# Altium PCB 智能马桶综合检测台V1.0.PcbDoc (part 9 of 10) (continued)
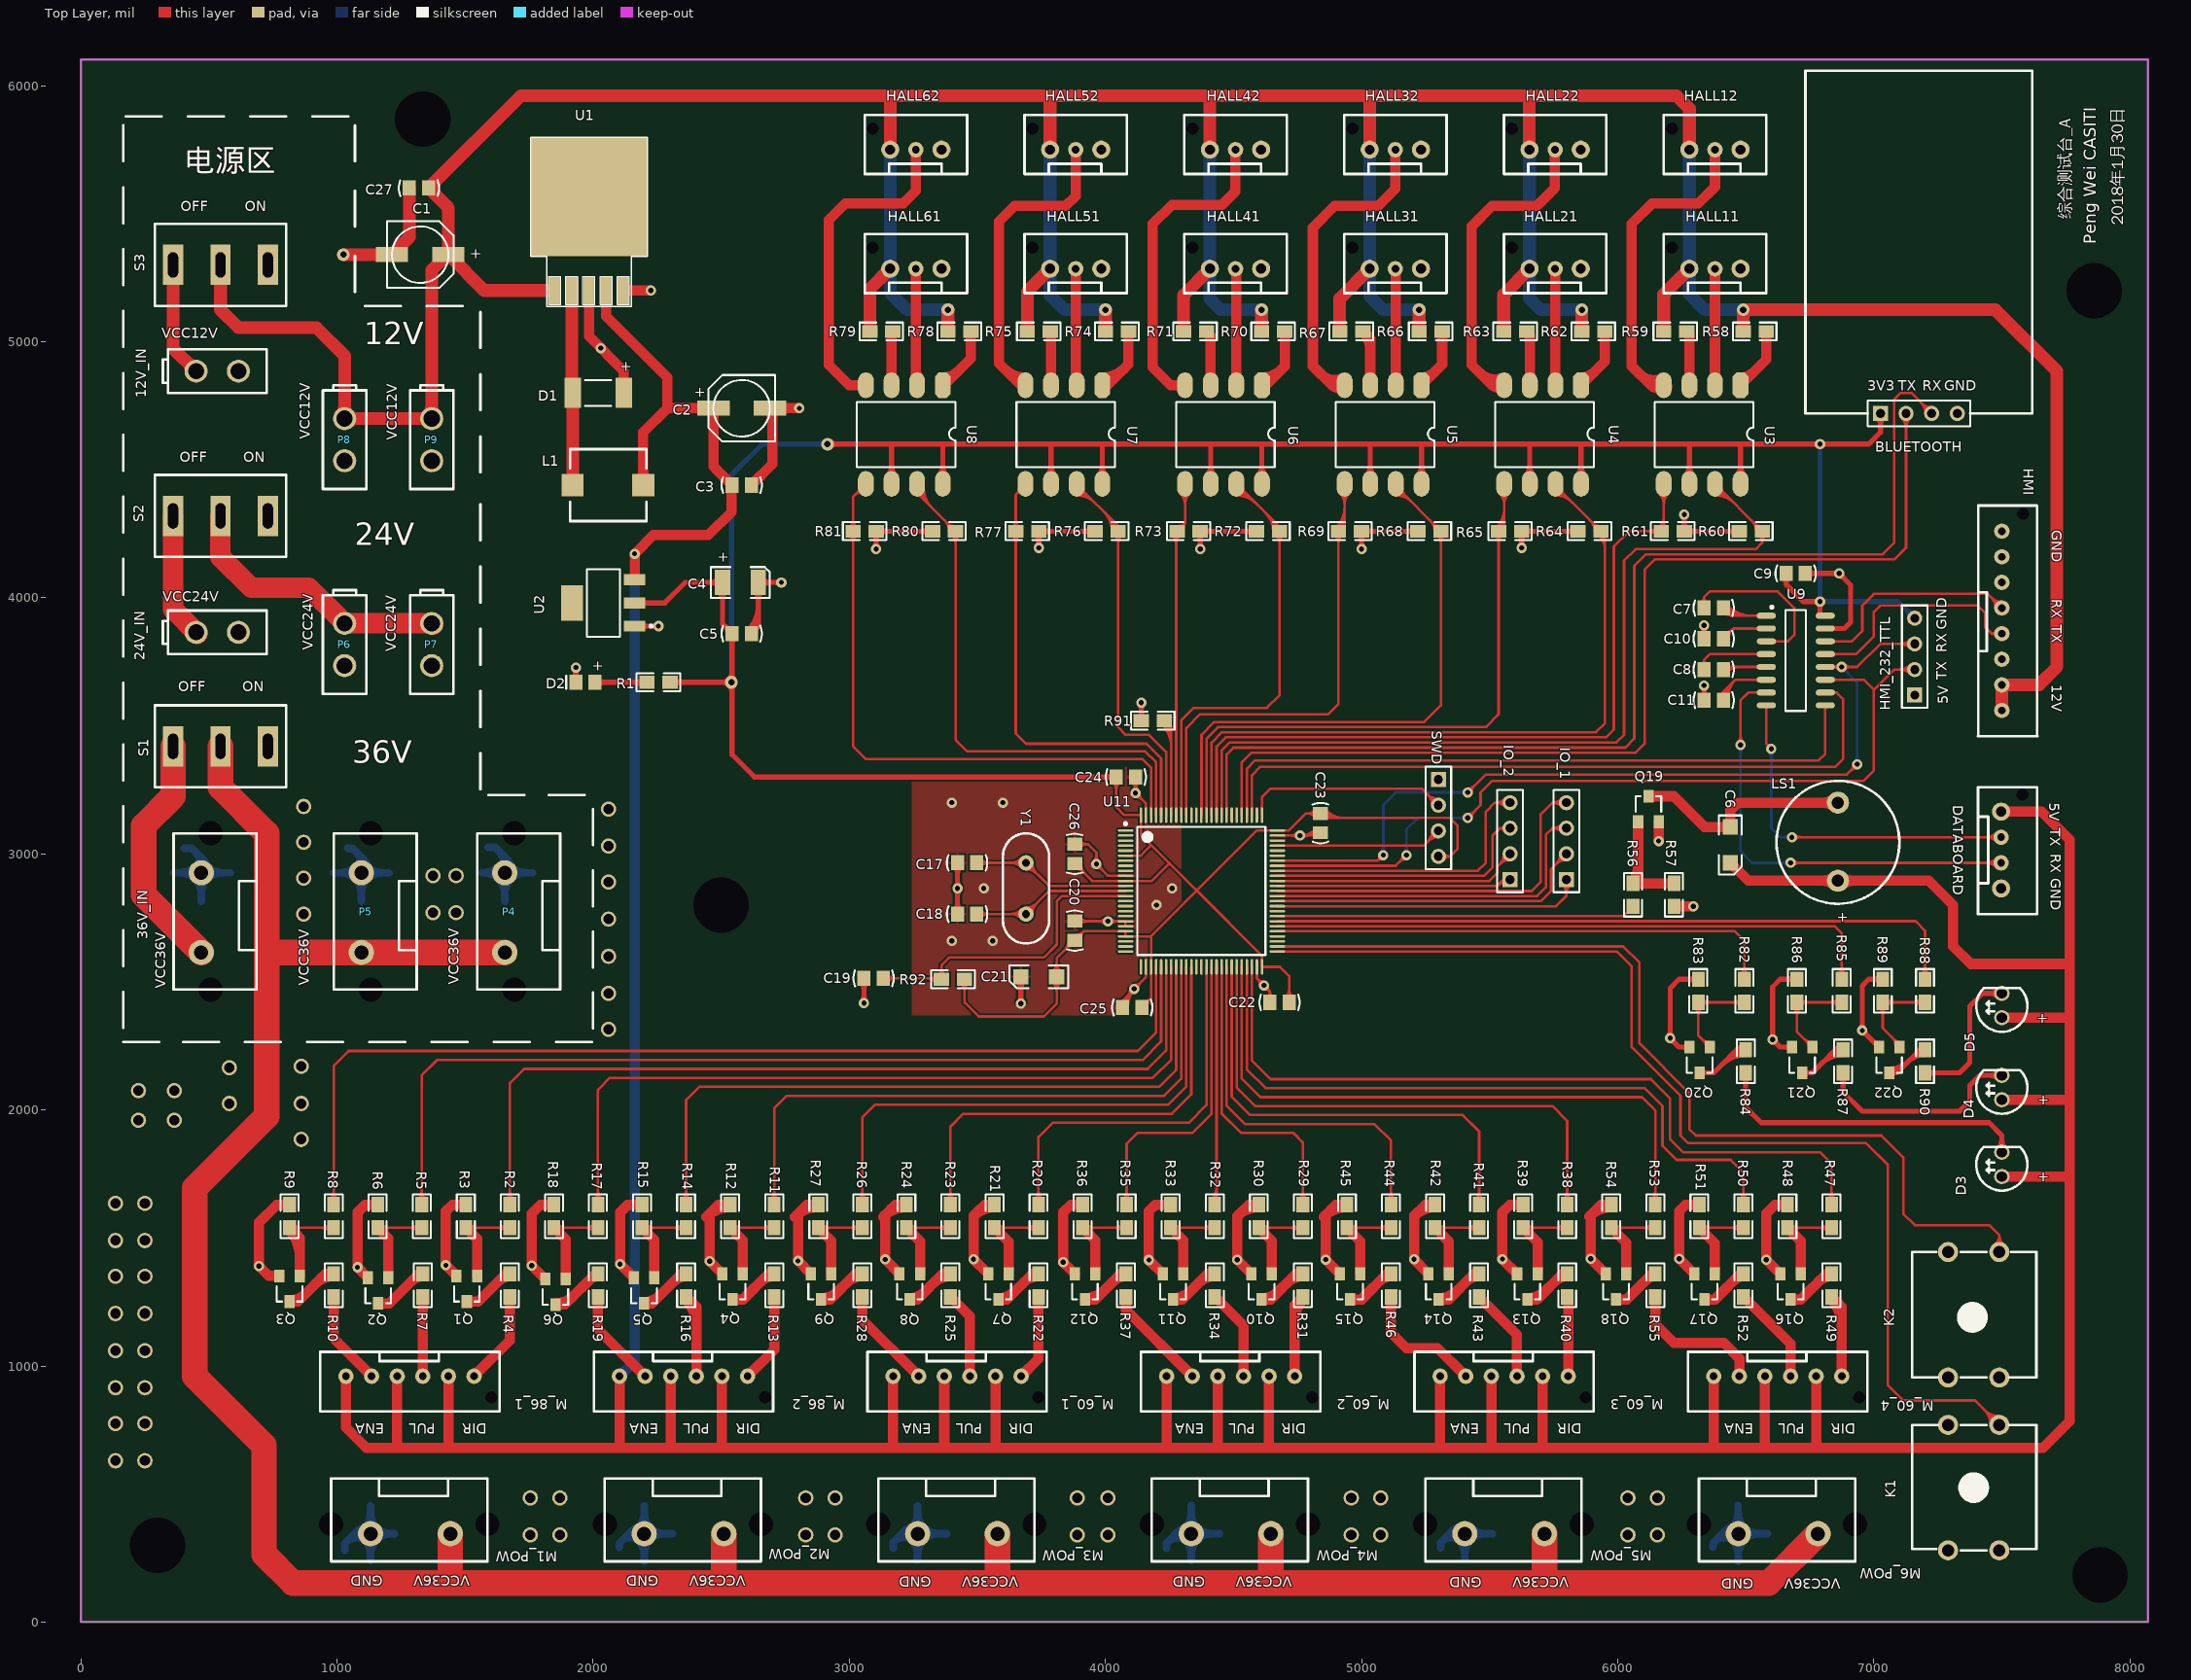
[diagram p0: Top Layer view]
## Nets (pads, with @x,y where several pads share a name; then routed paths per layer and width w, separated by ;. In a path a pad name is that pad's centre, name@x,y a point inside that pad or via, vN(x,y) a via of type N, cw(c..) or ccw(c..) an arc to the next point about the centre after c; other vN are vias at no path point) (continued)
cw(c7073.14,4672.86) BLUETOOTH.1@7039.81,4706.19 ; 7026,4672.86 cw(c7073.14,4672.86) BLUETOOTH.1@7039.81,4706.19 ; 7026,4672.86 cw(c7073.14,4672.86) BLUETOOTH.1@7039.81,4706.19 ; 7026,4672.86 cw(c7073.14,4672.86) BLUETOOTH.1@7039.81,4706.19 ; 7026,4672.86 cw(c7073.14,4672.86) BLUETOOTH.1@7039.81,4706.19 ; U9.16@6783.76,3931.28 ccw(c6768.69,3946.35) 6790,3946.35 cw(c6768.69,3946.35) U9.16@6783.76,3931.28
  Bottom Layer w20: v2(2540,3670) 2540,4480 2660,4600 v2(2915,4600) ; v1(6790,4600) v1(6790,3985) 7095,3985 HMI_232_TTL.4@7160,3920 ; v2@2529.39,3680.61 ccw(c2503.79,3706.21) 2540,3706.21 ; v2@2529.39,3680.61 ccw(c2503.79,3706.21) 2540,3706.21 ; v2@2529.39,3680.61 ccw(c2503.79,3706.21) 2540,3706.21 ; v2@2529.39,3680.61 ccw(c2503.79,3706.21) 2540,3706.21 ; v2@2529.39,3680.61 ccw(c2503.79,3706.21) 2540,3706.21 ; v2@2529.39,3680.61 ccw(c2503.79,3706.21) 2540,3706.21 ; 2540,3706.21 ccw(c2576.21,3706.21) v2@2550.61,3680.61 ; 2540,3706.21 ccw(c2576.21,3706.21) v2@2550.61,3680.61 ; 2540,3706.21 ccw(c2576.21,3706.21) v2@2550.61,3680.61 ; 2540,3706.21 ccw(c2576.21,3706.21) v2@2550.61,3680.61 ; 2540,3706.21 ccw(c2576.21,3706.21) v2@2550.61,3680.61 ; 2540,3706.21 ccw(c2576.21,3706.21) v2@2550.61,3680.61 ; 2878.79,4600 cw(c2878.79,4563.79) v2@2904.39,4589.39 ; 2878.79,4600 ccw(c2878.79,4636.21) v2@2904.39,4610.61 ; 2878.79,4600 cw(c2878.79,4563.79) v2@2904.39,4589.39 ; 2878.79,4600 ccw(c2878.79,4636.21) v2@2904.39,4610.61 ; 2878.79,4600 cw(c2878.79,4563.79) v2@2904.39,4589.39 ; 2878.79,4600 ccw(c2878.79,4636.21) v2@2904.39,4610.61 ; 2878.79,4600 cw(c2878.79,4563.79) v2@2904.39,4589.39 ; 2878.79,4600 ccw(c2878.79,4636.21) v2@2904.39,4610.61 ; 2878.79,4600 cw(c2878.79,4563.79) v2@2904.39,4589.39 ; 2878.79,4600 ccw(c2878.79,4636.21) v2@2904.39,4610.61 ; 2878.79,4600 ccw(c2878.79,4636.21) v2@2904.39,4610.61 ; 2878.79,4600 cw(c2878.79,4563.79) v2@2904.39,4589.39 ; v1@6782.93,3992.07 ccw(c6765.86,4009.14) 6790,4009.14 ; v1@6782.93,3992.07 ccw(c6765.86,4009.14) 6790,4009.14 ; v1@6782.93,3992.07 ccw(c6765.86,4009.14) 6790,4009.14 ; v1@6782.93,3992.07 ccw(c6765.86,4009.14) 6790,4009.14 ; v1@6782.93,3992.07 ccw(c6765.86,4009.14) 6790,4009.14 ; v1@6782.93,3992.07 ccw(c6765.86,4009.14) 6790,4009.14 ; v1@6782.93,4592.93 cw(c6765.86,4575.86) 6790,4575.86 ; v1@6782.93,4592.93 cw(c6765.86,4575.86) 6790,4575.86 ; v1@6782.93,4592.93 cw(c6765.86,4575.86) 6790,4575.86 ; v1@6782.93,4592.93 cw(c6765.86,4575.86) 6790,4575.86 ; v1@6782.93,4592.93 cw(c6765.86,4575.86) 6790,4575.86 ; v1@6782.93,4592.93 cw(c6765.86,4575.86) 6790,4575.86 ; 6790,4009.14 ccw(c6814.14,4009.14) v1@6797.07,3992.07 ; 6790,4009.14 ccw(c6814.14,4009.14) v1@6797.07,3992.07 ; 6790,4009.14 ccw(c6814.14,4009.14) v1@6797.07,3992.07 ; 6790,4009.14 ccw(c6814.14,4009.14) v1@6797.07,3992.07 ; 6790,4009.14 ccw(c6814.14,4009.14) v1@6797.07,3992.07 ; 6790,4009.14 ccw(c6814.14,4009.14) v1@6797.07,3992.07 ; 6790,4575.86 cw(c6814.14,4575.86) v1@6797.07,4592.93 ; 6790,4575.86 cw(c6814.14,4575.86) v1@6797.07,4592.93 ; 6790,4575.86 cw(c6814.14,4575.86) v1@6797.07,4592.93 ; 6790,4575.86 cw(c6814.14,4575.86) v1@6797.07,4592.93 ; 6790,4575.86 cw(c6814.14,4575.86) v1@6797.07,4592.93 ; 6790,4575.86 cw(c6814.14,4575.86) v1@6797.07,4592.93 ; v1@6797.07,3977.93 cw(c6814.14,3960.86) 6814.14,3985 ; v1@6797.07,3977.93 cw(c6814.14,3960.86) 6814.14,3985 ; v1@6797.07,3977.93 cw(c6814.14,3960.86) 6814.14,3985 ; v1@6797.07,3977.93 cw(c6814.14,3960.86) 6814.14,3985 ; v1@6797.07,3977.93 cw(c6814.14,3960.86) 6814.14,3985 ; v1@6797.07,3977.93 cw(c6814.14,3960.86) 6814.14,3985 ; v1@6797.07,3992.07 ccw(c6814.14,4009.14) 6814.14,3985 ; v1@6797.07,3992.07 ccw(c6814.14,4009.14) 6814.14,3985 ; v1@6797.07,3992.07 ccw(c6814.14,4009.14) 6814.14,3985 ; v1@6797.07,3992.07 ccw(c6814.14,4009.14) 6814.14,3985 ; v1@6797.07,3992.07 ccw(c6814.14,4009.14) 6814.14,3985 ; v1@6797.07,3992.07 ccw(c6814.14,4009.14) 6814.14,3985 ; 7126.66,3953.34 cw(c7093.33,3920) HMI_232_TTL.4@7140.47,3920 ; 7126.66,3953.34 ccw(c7160,3986.67) HMI_232_TTL.4@7160,3939.53 ; 7126.66,3953.34 cw(c7093.33,3920) HMI_232_TTL.4@7140.47,3920 ; 7126.66,3953.34 ccw(c7160,3986.67) HMI_232_TTL.4@7160,3939.53 ; 7126.66,3953.34 cw(c7093.33,3920) HMI_232_TTL.4@7140.47,3920 ; 7126.66,3953.34 ccw(c7160,3986.67) HMI_232_TTL.4@7160,3939.53 ; 7126.66,3953.34 cw(c7093.33,3920) HMI_232_TTL.4@7140.47,3920 ; 7126.66,3953.34 ccw(c7160,3986.67) HMI_232_TTL.4@7160,3939.53 ; 7126.66,3953.34 cw(c7093.33,3920) HMI_232_TTL.4@7140.47,3920 ; 7126.66,3953.34 ccw(c7160,3986.67) HMI_232_TTL.4@7160,3939.53 ; 7126.66,3953.34 ccw(c7160,3986.67) HMI_232_TTL.4@7160,3939.53 ; 7126.66,3953.34 cw(c7093.33,3920) HMI_232_TTL.4@7140.47,3920
VCC5V: C2.1 C3.2 C6.2 D3.1 D4.1 D5.1 DATABOARD.1 L1.2 LS1.1 M_60_1.2 M_60_1.4 M_60_1.6 M_60_2.2 M_60_2.4 M_60_2.6 M_60_3.2 M_60_3.4 M_60_3.6 M_60_4.2 M_60_4.4 M_60_4.6 M_86_1.2 M_86_1.4 M_86_1.6 M_86_2.2 M_86_2.4 M_86_2.6 U1.4 U2.3 | length 23907.6
  Top Layer w40: M_86_1.6@1035,960 1035,760 1115,680 7660,680 7765,785 7765,3055 7655,3165 DATABOARD.1@7497,3165 ; 1235,680 M_86_1.4@1235,960 ; M_86_1.2@1435,960 1435,685 1440,680 ; U1.4@2050.79,5200 2050.79,5099.21 2290,4860 2290,4740 ; 2103,682 M_86_2.6@2103,960 ; U2.3@2162.05,4070.55 v1(2162.05,4172.05) 2235,4245 2450,4245 2540,4335 C3.2@2540,4435 ; L1.2@2195.59,4440 2195.59,4645.59 2290,4740 ; 2303,682 M_86_2.4@2303,960 ; 2470,4512.6 C2.1@2470,4740 2290,4740 ; 2480,4502.6 C3.2@2542.6,4440 ; 2495,680 2503,688 M_86_2.2@2503,960 ; M_60_1.6@3171,960 3171,684 3175,680 ; M_60_1.4@3371,960 3371,684 3375,680 ; 3571,681 M_60_1.2@3571,960 ; 4239,681 M_60_2.6@4239,960 ; M_60_2.4@4439,960 4439,686 4445,680 ; 4639,681 M_60_2.2@4639,960 ; 5307,683 M_60_3.6@5307,960 ; 5507,682 M_60_3.4@5507,960 ; M_60_3.2@5707,960 5707,683 5710,680 ; 6375,680 M_60_4.6@6375,960 ; C6.2@6440,2965 6510,2895 7215,2895 7310,2800 7310,2640 7380,2570 7755,2570 ; 6575,680 M_60_4.4@6575,960 ; 6775,680 M_60_4.2@6775,960 ; D3.1@7500,1740 7765,1740 ; D4.1@7500,2040 7750,2040 ; D5.1@7500,2360 7750,2360 ; L1.2@2179.11,4456.48 ccw(c2139.32,4496.27) 2195.59,4496.27 ; L1.2@2179.11,4456.48 ccw(c2139.32,4496.27) 2195.59,4496.27 ; L1.2@2179.11,4456.48 ccw(c2139.32,4496.27) 2195.59,4496.27 ; L1.2@2179.11,4456.48 ccw(c2139.32,4496.27) 2195.59,4496.27 ; L1.2@2179.11,4456.48 ccw(c2139.32,4496.27) 2195.59,4496.27 ; L1.2@2179.11,4456.48 ccw(c2139.32,4496.27) 2195.59,4496.27 ; 2195.59,4496.27 ccw(c2251.86,4496.27) L1.2@2212.07,4456.48 ; 2195.59,4496.27 ccw(c2251.86,4496.27) L1.2@2212.07,4456.48 ; 2195.59,4496.27 ccw(c2251.86,4496.27) L1.2@2212.07,4456.48 ; 2195.59,4496.27 ccw(c2251.86,4496.27) L1.2@2212.07,4456.48 ; 2195.59,4496.27 ccw(c2251.86,4496.27) L1.2@2212.07,4456.48 ; 2195.59,4496.27 ccw(c2251.86,4496.27) L1.2@2212.07,4456.48 ; 6803.73,2895 cw(c6803.73,2838.73) LS1.1@6843.52,2878.52 ; 6803.73,2895 ccw(c6803.73,2951.27) LS1.1@6843.52,2911.48 ; 6803.73,2895 cw(c6803.73,2838.73) LS1.1@6843.52,2878.52 ; 6803.73,2895 ccw(c6803.73,2951.27) LS1.1@6843.52,2911.48 ; 6803.73,2895 cw(c6803.73,2838.73) LS1.1@6843.52,2878.52 ; 6803.73,2895 ccw(c6803.73,2951.27) LS1.1@6843.52,2911.48 ; 6803.73,2895 cw(c6803.73,2838.73) LS1.1@6843.52,2878.52 ; 6803.73,2895 ccw(c6803.73,2951.27) LS1.1@6843.52,2911.48 ; 6803.73,2895 cw(c6803.73,2838.73) LS1.1@6843.52,2878.52 ; 6803.73,2895 ccw(c6803.73,2951.27) LS1.1@6843.52,2911.48 ; 6803.73,2895 ccw(c6803.73,2951.27) LS1.1@6843.52,2911.48 ; 6803.73,2895 cw(c6803.73,2838.73) LS1.1@6843.52,2878.52 ; LS1.1@6876.48,2878.52 cw(c6916.27,2838.73) 6916.27,2895 ; LS1.1@6876.48,2878.52 cw(c6916.27,2838.73) 6916.27,2895 ; LS1.1@6876.48,2878.52 cw(c6916.27,2838.73) 6916.27,2895 ; LS1.1@6876.48,2878.52 cw(c6916.27,2838.73) 6916.27,2895 ; LS1.1@6876.48,2878.52 cw(c6916.27,2838.73) 6916.27,2895 ; LS1.1@6876.48,2878.52 cw(c6916.27,2838.73) 6916.27,2895 ; LS1.1@6876.48,2911.48 ccw(c6916.27,2951.27) 6916.27,2895 ; LS1.1@6876.48,2911.48 ccw(c6916.27,2951.27) 6916.27,2895 ; LS1.1@6876.48,2911.48 ccw(c6916.27,2951.27) 6916.27,2895 ; LS1.1@6876.48,2911.48 ccw(c6916.27,2951.27) 6916.27,2895 ; LS1.1@6876.48,2911.48 ccw(c6916.27,2951.27) 6916.27,2895 ; LS1.1@6876.48,2911.48 ccw(c6916.27,2951.27) 6916.27,2895 ; DATABOARD.1@7507.91,3154.09 cw(c7534.26,3127.74) 7534.26,3165 ; DATABOARD.1@7507.91,3154.09 cw(c7534.26,3127.74) 7534.26,3165 ; DATABOARD.1@7507.91,3154.09 cw(c7534.26,3127.74) 7534.26,3165 ; DATABOARD.1@7507.91,3154.09 cw(c7534.26,3127.74) 7534.26,3165 ; DATABOARD.1@7507.91,3154.09 cw(c7534.26,3127.74) 7534.26,3165 ; DATABOARD.1@7507.91,3154.09 cw(c7534.26,3127.74) 7534.26,3165 ; DATABOARD.1@7507.91,3175.91 ccw(c7534.26,3202.26) 7534.26,3165 ; DATABOARD.1@7507.91,3175.91 ccw(c7534.26,3202.26) 7534.26,3165 ; DATABOARD.1@7507.91,3175.91 ccw(c7534.26,3202.26) 7534.26,3165 ; DATABOARD.1@7507.91,3175.91 ccw(c7534.26,3202.26) 7534.26,3165 ; DATABOARD.1@7507.91,3175.91 ccw(c7534.26,3202.26) 7534.26,3165 ; DATABOARD.1@7507.91,3175.91 ccw(c7534.26,3202.26) 7534.26,3165
  Bottom Layer w40: M_86_2.6@2103,960 2162.05,1019.05 v1(2162.05,4172.05)
VCC12V: C1.1 C27.2 HALL11.1 HALL12.1 HALL21.1 HALL22.1 HALL31.1 HALL32.1 HALL41.1 HALL42.1 HALL51.1 HALL52.1 HALL61.1 HALL62.1 HMI.7 HMI.8 P8.1 P9.1 R58.1 R59.1 R62.1 R63.1 R66.1 R67.1 R70.1 R71.1 R74.1 R75.1 R78.1 R79.1 S3.2 U1.1 | length 20662.2
  Top Layer w50: S3.2@545.04,5300 545.04,5124.96 615,5055 920,5055 1030,4945 P8.1@1030,4700 P9.1@1370,4700 1370,5280 C1.1@1430,5340 ; U1.1@1850,5200 1575,5200 C1.1@1435,5340 1435,5522.4 C27.2@1357.4,5600 1717.4,5960 5030,5960 5032,5958 ; R79.1@3080,5040 3080,5205 HALL61.1@3160,5285 ; 3155,5960 3160,5955 HALL62.1@3160,5750 ; R78.1@3385,5040 v2(3385,5125) ; R75.1@3695,5040 3695,5196 HALL51.1@3784,5285 ; 3780,5960 3784,5956 HALL52.1@3784,5750 ; R74.1@4000,5040 v2(4000,5125) ; R71.1@4305,5040 4305,5182 HALL41.1@4408,5285 ; HALL42.1@4408,5750 4408,5958 4410,5960 ; R70.1@4610,5040 v2(4610,5125) ; R67.1@4915,5040 4915,5168 HALL31.1@5032,5285 ; HALL32.1@5032,5750 5032,5957 5035,5960 6230,5960 6280,5910 HALL12.1@6280,5750 ; R66.1@5225,5040 v2(5225,5125) ; R63.1@5555,5040 5555,5184 HALL21.1@5656,5285 ; HALL22.1@5656,5750 5655,5751 5655,5960 5656,5959 ; R62.1@5860,5040 v2(5860,5125) ; R59.1@6180,5040 6180,5185 HALL11.1@6280,5285 ; R58.1@6490,5040 v2(6490,5125) 7475,5125 7715,4885 7715,3730 7645,3660 HMI.7@7500,3660 HMI.8@7500,3560 ; P8.1@1015.86,4714.14 ccw(c981.72,4748.28) 1030,4748.28 ; P8.1@1015.86,4714.14 ccw(c981.72,4748.28) 1030,4748.28 ; P8.1@1015.86,4714.14 ccw(c981.72,4748.28) 1030,4748.28 ; P8.1@1015.86,4714.14 ccw(c981.72,4748.28) 1030,4748.28 ; P8.1@1015.86,4714.14 ccw(c981.72,4748.28) 1030,4748.28 ; P8.1@1015.86,4714.14 ccw(c981.72,4748.28) 1030,4748.28 ; 1030,4748.28 ccw(c1078.28,4748.28) P8.1@1044.14,4714.14 ; 1030,4748.28 ccw(c1078.28,4748.28) P8.1@1044.14,4714.14 ; 1030,4748.28 ccw(c1078.28,4748.28) P8.1@1044.14,4714.14 ; 1030,4748.28 ccw(c1078.28,4748.28) P8.1@1044.14,4714.14 ; 1030,4748.28 ccw(c1078.28,4748.28) P8.1@1044.14,4714.14 ; 1030,4748.28 ccw(c1078.28,4748.28) P8.1@1044.14,4714.14 ; P8.1@1044.14,4685.86 cw(c1078.28,4651.72) 1078.28,4700 ; P8.1@1044.14,4685.86 cw(c1078.28,4651.72) 1078.28,4700 ; P8.1@1044.14,4685.86 cw(c1078.28,4651.72) 1078.28,4700 ; P8.1@1044.14,4685.86 cw(c1078.28,4651.72) 1078.28,4700 ; P8.1@1044.14,4685.86 cw(c1078.28,4651.72) 1078.28,4700 ; P8.1@1044.14,4685.86 cw(c1078.28,4651.72) 1078.28,4700 ; P8.1@1044.14,4714.14 ccw(c1078.28,4748.28) 1078.28,4700 ; P8.1@1044.14,4714.14 ccw(c1078.28,4748.28) 1078.28,4700 ; P8.1@1044.14,4714.14 ccw(c1078.28,4748.28) 1078.28,4700 ; P8.1@1044.14,4714.14 ccw(c1078.28,4748.28) 1078.28,4700 ; P8.1@1044.14,4714.14 ccw(c1078.28,4748.28) 1078.28,4700 ; P8.1@1044.14,4714.14 ccw(c1078.28,4748.28) 1078.28,4700 ; 1321.72,4700 cw(c1321.72,4651.72) P9.1@1355.86,4685.86 ; 1321.72,4700 ccw(c1321.72,4748.28) P9.1@1355.86,4714.14 ; 1321.72,4700 cw(c1321.72,4651.72) P9.1@1355.86,4685.86 ; 1321.72,4700 ccw(c1321.72,4748.28) P9.1@1355.86,4714.14 ; 1321.72,4700 cw(c1321.72,4651.72) P9.1@1355.86,4685.86 ; 1321.72,4700 ccw(c1321.72,4748.28) P9.1@1355.86,4714.14 ; 1321.72,4700 cw(c1321.72,4651.72) P9.1@1355.86,4685.86 ; 1321.72,4700 ccw(c1321.72,4748.28) P9.1@1355.86,4714.14 ; 1321.72,4700 cw(c1321.72,4651.72) P9.1@1355.86,4685.86 ; 1321.72,4700 ccw(c1321.72,4748.28) P9.1@1355.86,4714.14 ; 1321.72,4700 ccw(c1321.72,4748.28) P9.1@1355.86,4714.14 ; 1321.72,4700 cw(c1321.72,4651.72) P9.1@1355.86,4685.86 ; P9.1@1355.86,4714.14 ccw(c1321.72,4748.28) 1370,4748.28 ; P9.1@1355.86,4714.14 ccw(c1321.72,4748.28) 1370,4748.28 ; P9.1@1355.86,4714.14 ccw(c1321.72,4748.28) 1370,4748.28 ; P9.1@1355.86,4714.14 ccw(c1321.72,4748.28) 1370,4748.28 ; P9.1@1355.86,4714.14 ccw(c1321.72,4748.28) 1370,4748.28 ; 1370,4748.28 ccw(c1418.28,4748.28) P9.1@1384.14,4714.14 ; 1370,4748.28 ccw(c1418.28,4748.28) P9.1@1384.14,4714.14 ; 1370,4748.28 ccw(c1418.28,4748.28) P9.1@1384.14,4714.14 ; 1370,4748.28 ccw(c1418.28,4748.28) P9.1@1384.14,4714.14 ; 1370,4748.28 ccw(c1418.28,4748.28) P9.1@1384.14,4714.14
  Bottom Layer w50: HALL62.1@3160,5750 3160,5190 3225,5125 v2(3385,5125) ; HALL52.1@3784,5750 3784,5181 3840,5125 v2(4000,5125) ; HALL42.1@4408,5750 4408,5167 4450,5125 v2(4610,5125) ; HALL32.1@5032,5750 5032,5178 5085,5125 v2(5225,5125) ; HALL22.1@5656,5750 5656,5169 5700,5125 v2(5860,5125) ; HALL12.1@6280,5750 6280,5185 6340,5125 v2(6490,5125)
VCC12V_IN: 12V_IN.1 S3.1 | length 907.3
  Top Layer w50: S3.1@360,5300 360,4975 12V_IN.1@450,4885 ; 415.86,4919.14 cw(c381.72,4885) 12V_IN.1@430,4885 ; 415.86,4919.14 ccw(c450,4953.28) 12V_IN.1@450,4905 ; 415.86,4919.14 cw(c381.72,4885) 12V_IN.1@430,4885 ; 415.86,4919.14 ccw(c450,4953.28) 12V_IN.1@450,4905 ; 415.86,4919.14 cw(c381.72,4885) 12V_IN.1@430,4885 ; 415.86,4919.14 ccw(c450,4953.28) 12V_IN.1@450,4905 ; 415.86,4919.14 cw(c381.72,4885) 12V_IN.1@430,4885 ; 415.86,4919.14 ccw(c450,4953.28) 12V_IN.1@450,4905 ; 415.86,4919.14 cw(c381.72,4885) 12V_IN.1@430,4885 ; 415.86,4919.14 ccw(c450,4953.28) 12V_IN.1@450,4905 ; 415.86,4919.14 ccw(c450,4953.28) 12V_IN.1@450,4905 ; 415.86,4919.14 cw(c381.72,4885) 12V_IN.1@430,4885
VCC24V: P6.1 P7.1 S2.2 | length 1099.8
  Top Layer w80: S2.2@545.04,4320 545.04,4159.96 665,4040 890,4040 P6.1@1030,3900 P7.1@1370,3900 P7.1@1375,3895
VCC24V_IN: 24V_IN.1 S2.1 | length 499.4
  Top Layer w80: S2.1@360,4320 360,3955 24V_IN.1@455,3860
VCC36V: M1_POW.1 M2_POW.1 M3_POW.1 M4_POW.1 M5_POW.1 M6_POW.1 P4.1 P5.1 S1.2 | length 11523.1
  Top Layer w100: S1.2@545.04,3420 545.04,3259.96 725,3080 725,1975 445,1695 445,960 715,690 715,265 827.76,152.24 6589.49,152.24 M6_POW.1@6782.24,345 ; 730,2615 P4.1@1655,2615 ; 1442.24,152.24 M1_POW.1@1442.24,345 ; 2505,152.24 2510.24,157.49 M2_POW.1@2510.24,345 ; 3578.24,154 M3_POW.1@3578.24,345 ; 4646.24,171.24 M4_POW.1@4646.24,345 ; 5710,152.24 5714.24,156.49 M5_POW.1@5714.24,345
VCC36V_IN: 36V_IN.1 S1.1 | length 945.8
  Top Layer w100: S1.1@360,3420 360,3225 245,3110 245,2840 36V_IN.1@470,2615